# Altium PCB Bran_Main_Assay_PCB_v2_20170726.PcbDoc (part 5 of 5)
Units mil, origin at the board's own origin, x right, y up, seen from the top; angles counter-clockwise.
Board outline 3608.46 x 1899.79 mil, 6 copper layers (TOP, GND1, Singal, POWER, GND2, BOTTOM), stack 31.508 mil thick; 365 components, 289 nets, 1399 pads, 974 vias.
Unrouted connection lines stored in the file: 1.
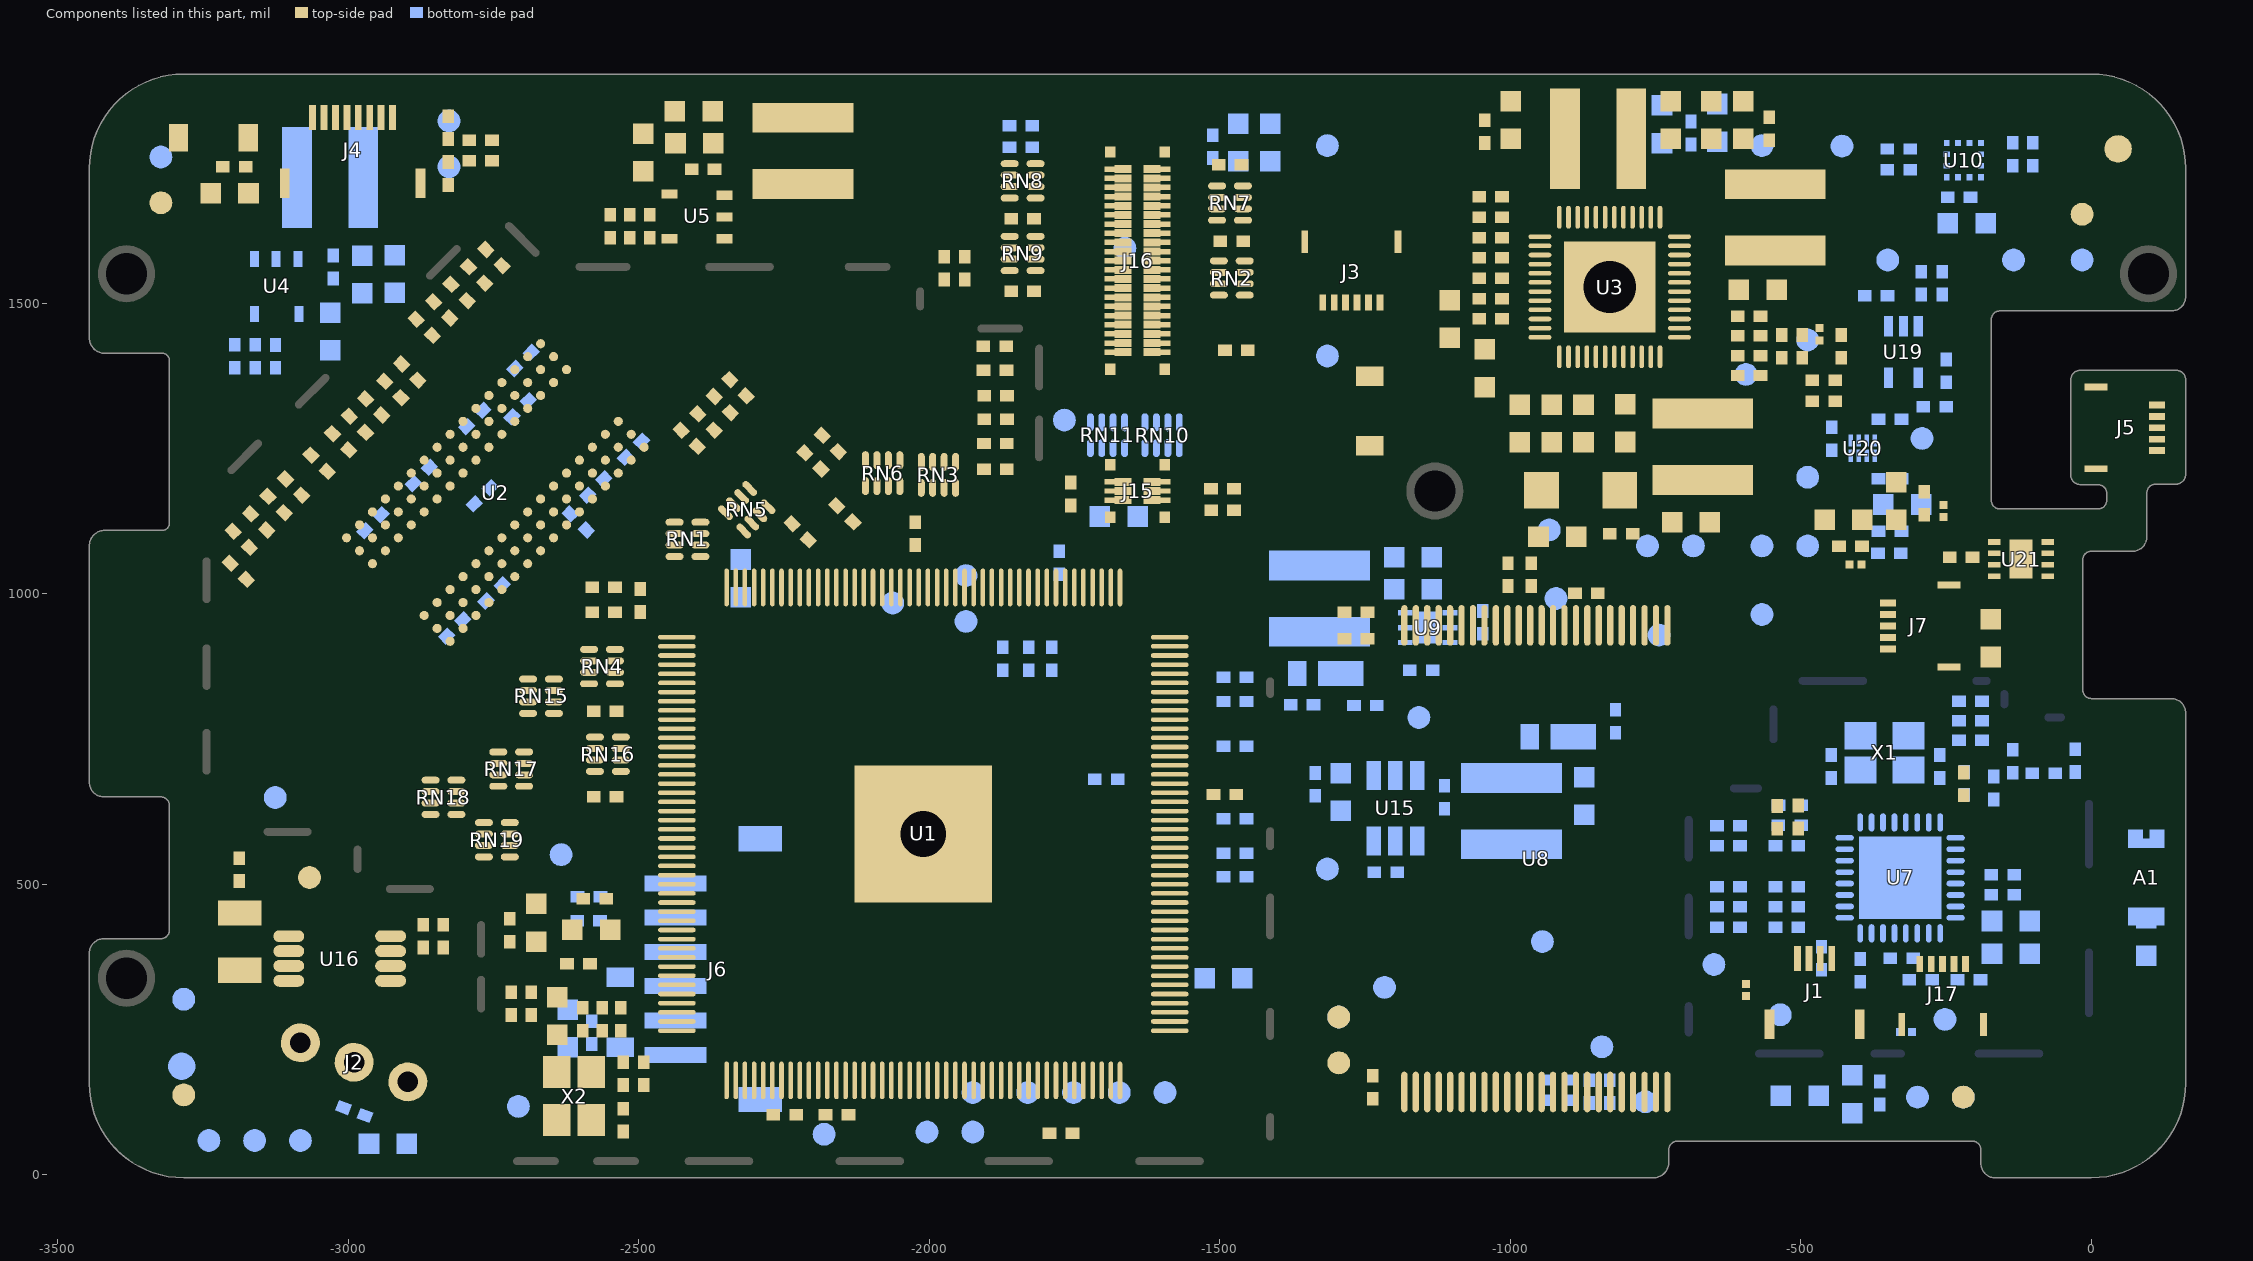
[diagram p9: the components of this part, seen from the top]

## Silkscreen, mask and mechanical layers (free items; w line width, h text height)
Silkscreen Top:
  lines w15: -3244.09,677.17 -3244.09,590.55 -3157.48,590.55 ; -3244.09,775.59 -3244.09,826.77 ; -3244.09,921.26 -3244.09,976.38 ; -3244.09,1070.87 -3244.09,1171.28 -3213.79,1199.58 ; -3142.09,1271.14 -3096.18,1314 ; -3055.12,590.55 -2984.25,590.55 -2984.25,570.87 ; -3030.09,1385.28 -2871.18,1537 ; -2984.25,511.81 -2984.25,492.13 -2944.88,492.13 ; -2842.52,492.13 -2771.65,492.13 -2771.65,444.88 ; -2804.09,1604.28 -2746.44,1659.32 ; -2771.65,275.59 -2771.65,23.62 -2724.41,23.62 ; -2771.65,346.46 -2771.65,366.14 ; -2745.5,1658.74 -2735.19,1647.94 ; -2665.5,1574.74 -2653.76,1563 -2618.11,1563 ; -2629.92,23.62 -2590.55,23.62 ; -2507.87,1563 -2397.64,1563 ; -2488.19,23.62 -2433.07,23.62 ; -2291.34,23.62 -2173.23,23.62 ; -2255.91,1563 -2157.48,1563 ; -2055.12,1562.99 -2015.75,1562.99 -2015.75,1535.43 ; -2031.5,23.62 -1913.39,23.62 ; -2015.75,1456.69 -1925.2,1456.69 ; -2015.75,1457.56 -2015.75,1480.32 ; -1834.65,1456.69 -1811.02,1456.69 -1811.02,1437.01 ; -1811.02,1220.47 -1811.02,1080.71 -1413.39,1080.71 -1413.39,866.14 ; -1811.02,1318.9 -1811.02,1342.52 ; -1775.59,23.62 -1657.48,23.62 ; -1519.69,23.62 -1413.39,23.62 -1413.39,47.24 ; -1413.39,118.11 -1413.39,224.41 ; -1413.39,299.21 -1413.39,397.64 ; -1413.39,492.13 -1413.39,551.18 ; -1413.39,606.3 -1413.39,811.02
  text "11BRANMB10E-ClearGrass-2017/7/26-PVT" at -2019,1831 h50
  text "4#" at -2679.46,66 h30 r90
Silkscreen Bottom:
  drawing of 636 lines, arcs and shapes, not listed
  text "4#" at -394.46,811 h30
  text "Danger! Electric" at -2454.45,736.74 h30